# Altium PCB ESP_MusicToy.PcbDoc (part 2 of 2) (continued)
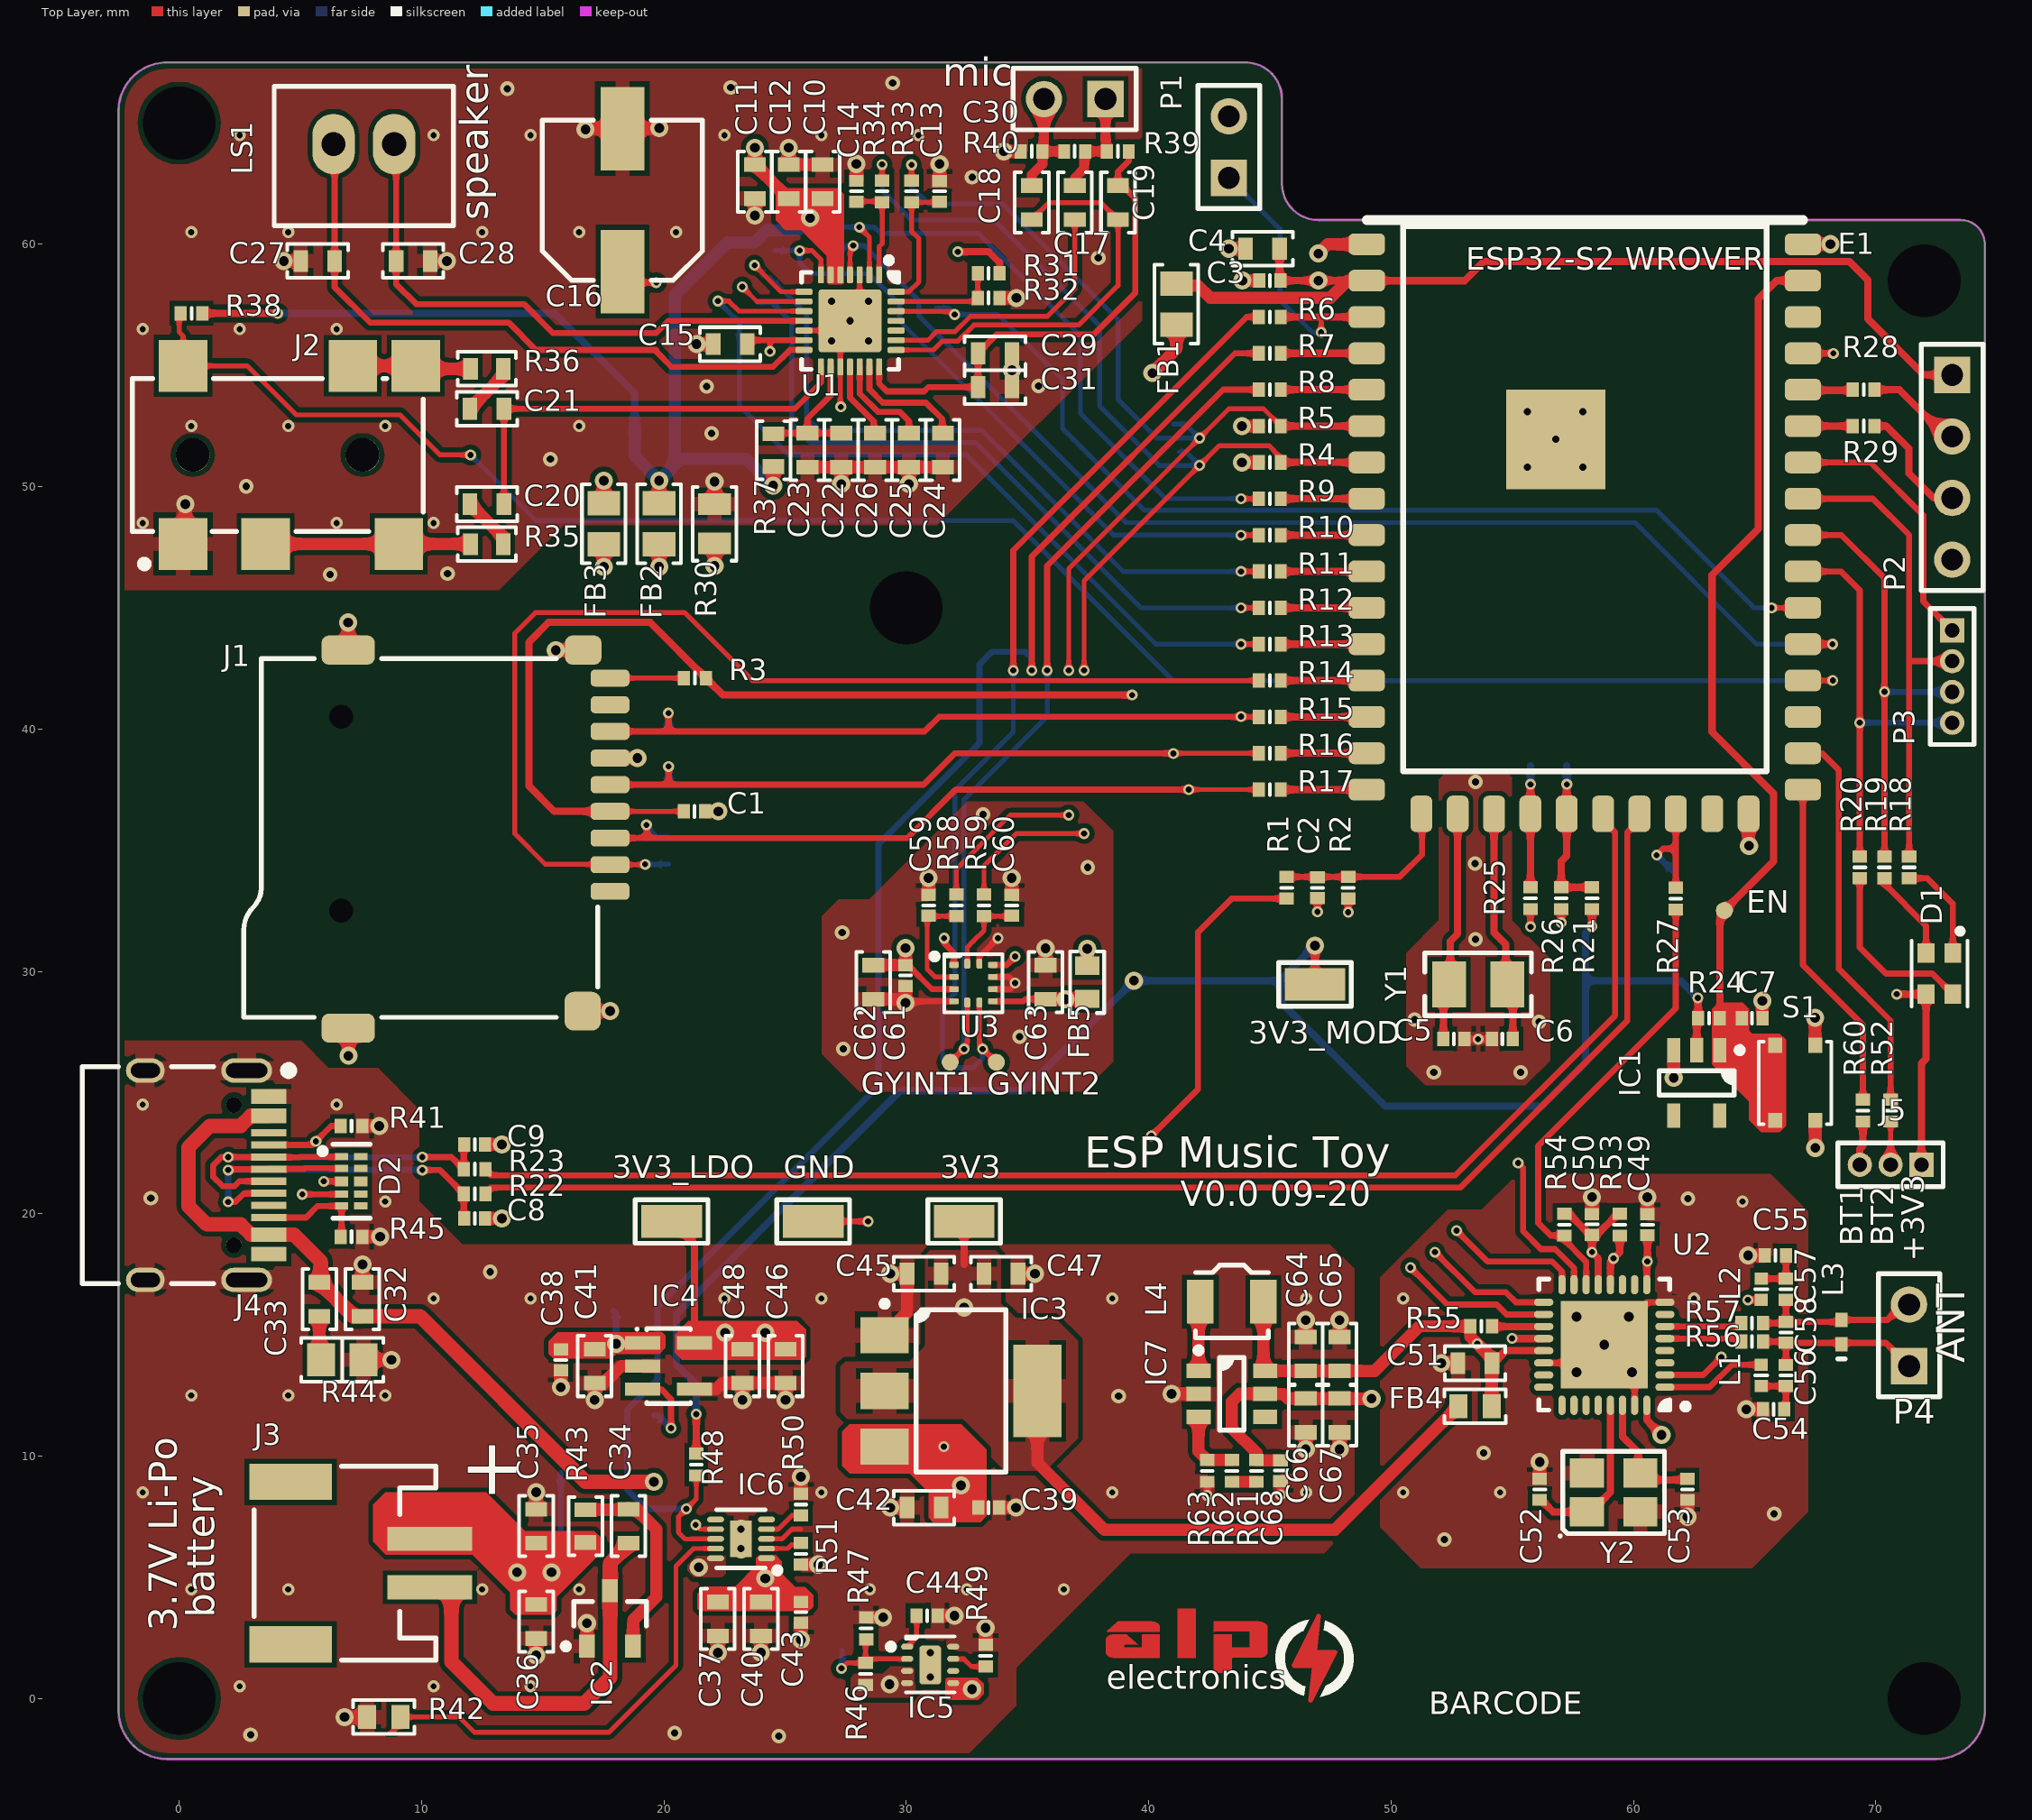
[diagram p0: Top Layer view]
## Nets (pads, with @x,y where several pads share a name; then routed paths per layer and width w, separated by ;. In a path a pad name is that pad's centre, name@x,y a point inside that pad or via, vN(x,y) a via of type N, cw(c..) or ccw(c..) an arc to the next point about the centre after c; other vN are vias at no path point) (continued)
NetC5_2: C5.2 E1.18 Y1.2 | length 9.5
  Top Layer w0.3: C5.2@52.162,27.214 52.162,28.921 Y1.2@52.578,29.337 ; Y1.2@52.324,29.464 52.451,29.591 52.451,31.242 52.75,31.541 E1.18@52.75,36.5
NetC6_2: C6.2 E1.19 Y1.1 | length 9.7
  Top Layer w0.3: E1.19@54.25,36.5 54.25,31.602 54.737,31.115 54.737,29.591 Y1.1@54.673,29.527 ; Y1.1@54.61,29.464 Y1.1@54.673,29.527 ; C6.2@55.026,27.214 55.026,29.175 Y1.1@54.673,29.527
NetC15_1: C15.1 C16.1 FB3.2 SPKVDD.1 U1.13 | length 19.3
  Top Layer w0.25: C16.1@18.288,58.87 18.738,58.42 v2(19.685,58.42) ; C15.1@23.433,55.88 23.593,56.04 24.504,56.04 ; v2(24.377,55.578) 24.377,55.913 24.504,56.04 ; U1.13@25.779,56.04 24.504,56.04
  Top Layer w0.5: FB3.2@17.519,49.316 v1(17.519,50.244)
  Layer 2 w0.25: v1(17.519,50.244) 20.066,52.791 20.066,55.118 ; v2(19.685,58.42) 19.685,55.959 20.066,55.578 20.066,55.118 ; v2(24.377,55.578) 23.917,55.118 20.066,55.118
NetC17_2: C17.2 U1.23 | length 11.1
  Top Layer w0.2: U1.23@29.579,56.04 30.894,56.04 31.242,56.388 32.004,56.388 32.639,57.023 35.814,57.023 36.957,58.166 C17.2@36.957,61.022
NetC18_2: C18.2 C19.2 U1.22 | length 17.1
  Top Layer w0.2: U1.22@29.579,55.64 31.129,55.64 31.496,56.007 32.131,56.007 32.791,56.667 37.109,56.667 38.735,58.293 C19.2@38.735,61.022 38.035,61.722 35.879,61.722 C18.2@35.179,61.022
NetC20_2: C20.2 R35.1 | length 2.3
  Top Layer w0.5: C20.2@12,49.276 12,49.126 12.05,49.076 12.2,49.076 13.325,47.951 13.325,47.675 R35.1@13.375,47.625
NetC21_2: C21.2 R36.1 | length 2.3
  Top Layer w0.5: C21.2@12,53.213 12,53.363 12.05,53.413 12.2,53.413 13.325,54.538 13.325,54.814 R36.1@13.375,54.864
NetC22_1: C22.1 C23.2 R37.2 U1.16 | length 5.9
  Top Layer w0.25: R37.2@24.523,52.181 24.548,52.206 C23.2@25.92,52.206 ; U1.16@26.879,54.94 26.879,53.762 25.92,52.803 C23.2@25.92,52.206 ; C22.1@27.317,52.206 C23.2@25.92,52.206
NetC24_1: C24.1 U1.20 | length 5
  Top Layer w0.25: U1.20@28.479,54.94 28.479,54.016 29.028,53.467 30.806,53.467 31.489,52.784 31.489,52.225 C24.1@31.508,52.206
NetC25_1: C25.1 U1.19 | length 4.1
  Top Layer w0.25: U1.19@28.079,54.94 28.079,53.836 28.829,53.086 29.73,53.086 30.111,52.705 C25.1@30.111,52.206
NetC26_1: C26.1 U1.18 | length 3.2
  Top Layer w0.25: U1.18@27.679,54.94 27.679,53.673 28.663,52.689 28.663,52.257 C26.1@28.714,52.206
NetC27_1: C27.1 LS1.1 U1.14 | length 26.8
  Top Layer w0.25: LS1.1@6.325,64.033 6.415,63.943 C27.1@6.415,59.309 6.415,58.228 7.874,56.769 13.589,56.769 14.718,55.64 19.678,55.64 ; 19.678,55.578 20.313,54.943 24.504,54.943 25.201,55.64 U1.14@25.779,55.64
NetC28_2: C28.2 LS1.2 U1.11 | length 23.3
  Top Layer w0.25: LS1.2@8.952,63.794 C28.2@8.952,59.309 8.952,58.358 9.779,57.531 14.224,57.531 15.415,56.34 19.678,56.34 20.178,56.84 24.664,56.84 U1.11@25.779,56.84
NetC33_1: C33.1 R44.2 | length 1.6
  Top Layer w0.5: C33.1@5.786,15.773 5.786,14.28 R44.2@5.842,14.224
NetC34_1: C34.1 IC2.3 R43.2 | length 8.6
  Top Layer w0.5: R43.2@16.764,7.768 R43.2@16.785,7.747 ; R43.2@16.764,7.787 18.455,7.787 C34.1@18.542,7.874 ; C34.1@18.542,7.812 18.858,7.812 19.685,6.985 19.685,4.191 18.73,3.236 IC2.3@18.73,2.152
NetC34_2: C34.2 IC2.2 J3.1 | length 16.6
  Top Layer w0.6: J3.1@11.235,4.588 11.235,1.516 12.954,-0.203 16.713,-0.203 17.78,0.864 IC2.2@17.78,4.452 17.78,5.588 C34.2@18.542,6.35
NetC44_2: C44.2 IC5.1 | length 1.4
  Top Layer w0.2: IC5.1@30.038,2.135 30.429,2.526 C44.2@30.429,3.417
NetC49_2: C49.2 U2.9 U2.20 | length 11.2
  Top Layer w0.3: v2(54.991,14.859) 55.003,14.847 U2.20@56.301,14.847 ; U2.9@60.551,17.072 60.551,18.006 v2(60.579,18.034) C49.2@60.579,19.118
  Layer 2 w0.3: v2(54.991,14.859) 54.991,16.51 55.626,17.145 58.674,17.145 59.69,17.145 v2(60.579,18.034)
NetC54_2: C54.2 C56.1 L1.2 | length 2
  Top Layer w0.25: L1.2@65.278,12.887 66.286,12.887 C56.1@66.294,12.895 66.294,12.006 C54.2@66.218,11.93
NetC55_1: C55.1 C57.1 L2.2 | length 2
  Top Layer w0.25: L2.2@65.278,17.323 66.286,17.323 C57.1@66.294,17.315 C55.1@66.294,18.28
NetC56_2: C56.2 C58.2 L3.1 P4.1 R56.2 | length 7.4
  Top Layer w0.25: R56.2@65.347,14.724 66.243,14.724 C58.2@66.294,14.673 ; C56.2@66.294,13.759 C58.2@66.294,14.673 ; P4.1@71.374,13.716 70.417,14.673 68.58,14.673 C58.2@66.294,14.673
NetC57_2: C57.2 C58.1 L3.2 P4.2 R57.2 | length 7.4
  Top Layer w0.25: R57.2@65.347,15.486 66.243,15.486 C58.1@66.294,15.537 ; C57.2@66.294,16.451 C58.1@66.294,15.537 ; P4.2@71.374,16.51 70.485,15.621 68.588,15.621 L3.2@68.58,15.613 68.504,15.537 C58.1@66.294,15.537
NetD1_1: D1.1 R18.1 | length 4.3
  Top Layer w0.25: R18.1@71.374,33.84 72.129,33.84 73.177,32.791 D1.1@73.177,30.759
NetD1_2: D1.2 R20.1 | length 7.5
  Top Layer w0.25: R20.1@69.342,33.84 69.342,30.988 70.423,29.907 72.33,29.907 D1.2@73.177,29.059
NetD1_4: D1.4 R19.1 | length 3.8
  Top Layer w0.25: R19.1@70.358,33.84 70.358,33.604 72.077,31.885 D1.4@72.077,30.759
NetE1_4: E1.4 R7.2 | length 3.6
  Top Layer w0.3: R7.2@45.45,55.5 E1.4@49,55.5
NetE1_5: E1.5 R8.2 | length 3.6
  Top Layer w0.3: R8.2@45.45,54 E1.5@49,54
NetE1_8: E1.8 R9.2 | length 3.6
  Top Layer w0.3: R9.2@45.45,49.5 E1.8@49,49.5
NetE1_9: E1.9 R10.2 | length 3.6
  Top Layer w0.3: R10.2@45.45,48 E1.9@49,48
NetE1_10: E1.10 R11.2 | length 3.6
  Top Layer w0.3: R11.2@45.45,46.5 E1.10@49,46.5
NetE1_11: E1.11 R12.2 | length 3.6
  Top Layer w0.3: R12.2@45.45,45 E1.11@49.001,45
NetE1_12: E1.12 R13.2 | length 3.6
  Top Layer w0.3: R13.2@45.45,43.5 E1.12@49,43.5
NetE1_13: E1.13 R14.2 | length 3.6
  Top Layer w0.3: R14.2@45.45,42 E1.13@49,42
NetE1_14: E1.14 R15.2 | length 3.6
  Top Layer w0.3: R15.2@45.45,40.5 E1.14@49,40.5
NetE1_15: E1.15 R16.2 | length 3.6
  Top Layer w0.3: R16.2@45.45,39 E1.15@49.001,39
NetE1_16: E1.16 R17.2 | length 3.6
  Top Layer w0.3: R17.2@45.45,37.5 E1.16@49,37.5
NetIC5_7: IC5.7 R49.1 | length 1.5
  Top Layer w0.2: IC5.7@31.938,1.635 32.376,1.635 32.695,1.316 R49.1@33.274,1.316
NetIC6_2: IC6.2 R51.1 | length 1.5
  Top Layer w0.2: IC6.2@24.233,6.185 25.108,6.185 25.273,6.35 R51.1@25.654,6.35
NetIC6_4: IC6.4 R50.2 | length 1.7
  Top Layer w0.2: IC6.4@24.233,6.985 24.714,6.985 25.28,7.551 R50.2@25.654,7.551
NetIC7_1: IC7.1 L4.2 | length 2.9
  Top Layer w0.5: IC7.1@42.059,13.515 42.059,16.354 L4.2@42.113,16.408
NetIC7_3: IC7.3 R62.1 R63.2 | length 2.9
  Top Layer w0.5: IC7.3@42.059,11.615 42.059,10.199 R63.2@42.418,9.84 R62.1@43.434,9.84
NetJ2_3: J2.3 J2.6 R35.2 | length 8.5
  Top Layer w0.5: J2.3@3.564,47.633 J2.6@9.064,47.633 12.017,47.633 R35.2@12.025,47.625
NetJ2_4: J2.4 J2.5 R36.2 | length 4.9
  Top Layer w0.5: J2.4@7.164,54.983 J2.5@9.764,54.983 9.883,54.864 R36.2@12.025,54.864
NetJ5_2: J5.2 R52.1 | length 1.8
  Top Layer w0.2: J5.2@70.612,22.022 R52.1@70.612,23.807
NetJ5_3: J5.3 R60.1 | length 1.8
  Top Layer w0.3: J5.3@69.342,22.022 69.342,22.675 69.469,22.802 R60.1@69.469,23.807
NetP2_2: P2.2 R28.2 | length 4
  Top Layer w0.3: R28.2@69.95,54 70.968,54 72.898,52.07 P2.2@73.152,52.07
NetP2_3: P2.3 R29.2 | length 5
  Top Layer w0.3: R29.2@69.95,52.5 70.436,52.5 71.374,51.562 71.374,50.546 72.39,49.53 P2.3@73.025,49.53 ; P2.3@73.152,49.403 P2.3@73.152,49.425 ; P2.3@73.152,49.53 P2.3@73.279,49.53
NetR55_2: R55.2 U2.19 | length 2.1
  Top Layer w0.3: R55.2@54.229,15.367 54.249,15.347 U2.19@56.301,15.347
NetR61_1: R61.1 R62.2 | length 1
  Top Layer w0.5: R62.2@43.434,8.94 R61.1@44.45,8.94
NFC_IRQIN: R26.2 R53.2 U2.12 | length 17.6
  Top Layer w0.3: v2(57.023,32.004) R26.2@57.023,32.57 ; U2.12@59.051,17.072 59.051,18.03 v2(59.182,18.161) 59.436,18.415 R53.2@59.436,19.177
  Layer 2 w0.3: v2(57.023,32.004) 57.531,31.496 57.531,24.144 59.182,22.493 v2(59.182,18.161)
NFC_IRQOUT: R27.2 R54.2 U2.14 | length 18.9
  Top Layer w0.25: R54.2@57.15,19.1 56.592,19.1 56.07,19.621 56.07,22.796 61.75,28.476 R27.2@61.75,32.55 ; R54.2@57.15,19.05 57.15,18.923 58.051,18.022 U2.14@58.051,17.072
RX1: R56.1 U2.5 | length 3.2
  Top Layer w0.25: U2.5@61.301,14.847 64.324,14.847 R56.1@64.447,14.724
RX2: R57.1 U2.6 | length 3.2
  Top Layer w0.25: U2.6@61.301,15.347 64.308,15.347 R57.1@64.447,15.486
SD_DETECT: J1.9 R3.1 | length 3.1
  Top Layer w0.2: J1.9@17.776,42.101 R3.1@20.828,42.101
SPI2_CLK: CLK.1 J1.5 R16.1 U2.18 | length 60.4
  Top Layer w0.2: v2@41.021,39 R16.1@44.55,39
  Top Layer w0.25: J1.5@17.776,37.701 20.199,37.701 ; v2(20.193,38.456) 20.199,38.45 20.199,37.701 ; v2@41.021,39 32.015,39 30.716,37.701 20.199,37.701 ; v2(50.8,17.78) 52.324,16.256 54.356,16.256 54.765,15.847 U2.18@56.301,15.847
  Layer 2 w0.25: v2(41.021,38.989) 41.021,27.559 v2(50.8,17.78)
  Bottom Layer w0.25: CLK.1@20.193,37.701 v2(20.193,38.456)
SPI2_CS_NFC: R25.2 U2.15 | length 17.9
  Top Layer w0.25: v2(55.245,22.098) 55.448,21.895 55.448,19.279 56.185,18.542 56.769,18.542 57.551,17.76 U2.15@57.551,17.072 ; v2(55.753,31.838) R25.2@55.753,32.57
  Layer 2 w0.25: v2(55.245,22.098) 55.245,23.114 56.871,24.74 56.871,30.721 v2(55.753,31.838)
SPI2_CS_SD: J1.2 R14.1 SD_CS.1 | length 47.4
  Top Layer w0.2: v2(19.228,34.417) 19.212,34.401 J1.2@17.776,34.401 17.76,34.417 15.113,34.417 13.843,35.687 13.843,43.942 14.707,44.806 20.853,44.806 23.659,42 R14.1@44.55,42
  Bottom Layer w0.2: v2(19.228,34.417) SD_CS.1@20.193,34.417
SPI2_MISO: J1.7 MISO.1 R15.1 U2.16 | length 59
  Top Layer w0.2: v2@43.815,40.5 R15.1@44.55,40.5
  Top Layer w0.25: J1.7@17.776,39.901 20.193,39.901 ; v2@20.193,40.65 20.193,39.901 ; v2@43.815,40.5 31.356,40.5 30.757,39.901 20.193,39.901 ; v2(52.705,19.304) 53.975,18.034 56.642,18.034 57.051,17.625 U2.16@57.051,17.072
  Layer 2 w0.25: v2(43.815,40.513) 43.815,28.194 v2(52.705,19.304)
  Bottom Layer w0.25: v2(20.187,40.656) 20.193,40.65 MISO.1@20.193,39.901
SPI2_MOSI: J1.3 MOSI.1 R17.1 U2.17 | length 58
  Top Layer w0.2: v2(41.656,37.5) R17.1@44.55,37.5
  Top Layer w0.25: J1.3@17.776,35.501 19.296,35.501 ; v2(19.279,36.043) 19.296,36.025 19.296,35.501 ; v2(41.656,37.5) 32.039,37.5 30.04,35.501 19.296,35.501 ; v2(51.816,18.415) 53.467,16.764 54.737,16.764 55.154,16.347 U2.17@56.301,16.347
  Layer 2 w0.25: v2(41.656,37.5) 41.656,28.575 v2(51.816,18.415)
  Bottom Layer w0.25: v2(19.279,36.043) 19.279,35.941 19.71,35.509 MOSI.1@20.193,35.509
TCK: E1.33 P3.4 R20.2 | length 17.5
  Top Layer w0.25: E1.33@66.993,46.5 68.562,46.5 69.342,45.72 v2(69.342,40.259) R20.2@69.342,34.74
  Bottom Layer w0.25: v2(69.342,40.259) P3.4@73.152,40.259
TDI: E1.35 P3.2 R18.2 | length 20
  Top Layer w0.25: E1.35@66.993,49.5 69.88,49.5 71.374,48.006 71.374,42.807 ; R18.2@71.374,34.74 71.374,42.807 ; P3.2@73.152,42.799 71.382,42.799 71.374,42.807
TDO: E1.34 P3.3 R19.2 | length 18.4
  Top Layer w0.25: E1.34@66.993,48 68.586,48 70.358,46.228 v2(70.358,41.541) R19.2@70.358,34.74
  Bottom Layer w0.25: v2(70.358,41.541) 70.37,41.529 P3.3@73.152,41.529
TMS: E1.36 P3.1 | length 11.1
  Top Layer w0.25: E1.36@66.993,51 69.777,51 71.958,48.819 71.958,45.263 P3.1@73.152,44.069
TS: IC6.9 R42.2 | length 18.8
  Top Layer w0.2: R42.2@9.125,-0.762 11.557,-0.762 12.192,-1.397 17.729,-1.397 20.498,1.372 20.498,5.461 21.222,6.185 IC6.9@22.133,6.185
TX1: L1.1 U2.1 | length 4.4
  Top Layer w0.25: U2.1@61.301,12.847 63.147,12.847 64.067,13.767 L1.1@65.278,13.767
TX2: L2.1 U2.2 | length 6
  Top Layer w0.25: U2.2@61.301,13.347 62.885,13.347 v2(63.627,14.089) ; v2(64.726,16.443) L2.1@65.278,16.443
  Layer 2 w0.25: v2(63.627,14.089) 64.516,14.978 64.521,14.983 64.516,14.988 64.726,15.198 v2(64.726,16.443)
UART_RX: E1.38 R28.1 | length 2
  Top Layer w0.3: E1.38@67.056,53.975 69.025,53.975 R28.1@69.05,54
UART_TX: E1.37 R29.1 | length 2.1
  Top Layer w0.3: E1.37@66.993,52.5 69.039,52.5 R29.1@69.088,52.451
USB_VCC: C32.1 C33.2 C37.1 C40.2 C43.2 IC6.1 IC6.7 J4.A4/B9 J4.B4/A9 | length 42.5
  Top Layer w0.2: v2(21.311,7.163) 21.488,6.985 IC6.7@22.133,6.985
  Top Layer w0.6: J4.A4/B9@3.701,24.04 2.958,24.04 2.54,23.622 1.27,23.622 0.381,22.733 0.381,20.32 1.143,19.558 2.54,19.558 2.958,19.14 J4.B4/A9@3.701,19.14 4.736,19.14 5.842,18.034 C33.2@5.842,17.272 ; C33.2@5.786,17.173 7.211,15.748 C32.1@7.493,15.748 ; C32.1@7.564,15.773 9.932,15.773 16.764,8.941 v1(19.583,8.941)
  Layer 2 w0.2: v1(19.583,8.941) 19.583,8.128 20.549,7.163 v2(21.311,7.163)
  Layer 2 w0.6: v1(19.583,8.941) 23.343,8.941 24.181,8.103 v1(24.181,4.953)
USBD_N: C9.2 D2.1 J4.A7 J4.B7 R23.2 | length 19.3
  Top Layer w0.25: J4.A7@3.701,21.34 2.49,21.34 2.286,21.136 1.797,21.136 1.397,21.536 1.397,21.99 1.747,22.34 v2(2.026,22.34) J4.B7@3.701,22.34 3.716,22.325 4.965,22.325 4.986,22.346 6.7,22.346 D2.1@6.706,22.352 ; v2(10.033,22.34) 11.24,22.34 11.567,22.013 11.617,22.013 R23.2@11.742,21.888 ; R23.2@11.742,21.838 R23.2@11.742,21.888 ; C9.2@11.76,22.727 11.742,22.709 11.742,22.013 R23.2@11.742,21.888
  Bottom Layer w0.25: v2(2.026,22.34) 2.044,22.323 10.015,22.323 v2(10.033,22.34)
USBD_P: C8.1 D2.2 J4.A6 J4.B6 R22.2 | length 19
  Top Layer w0.25: v2(2.026,20.49) 2.323,20.49 2.673,20.84 J4.B6@3.701,20.84 ; v2(2.026,21.801) 2.061,21.836 3.701,21.836 J4.A6@3.701,21.84 3.716,21.855 5.16,21.855 5.181,21.875 6.7,21.875 D2.2@6.706,21.869 ; v2(10.033,21.801) 10.763,21.801 11.567,20.997 11.617,20.997 11.742,20.872 R22.2@11.742,20.822 11.742,19.824 C8.1@11.76,19.806
  Bottom Layer w0.25: v2(2.026,20.49) v2(2.026,21.801) 2.044,21.819 10.016,21.819 v2(10.033,21.801)
UVLO: FUSE_EN.1 IC5.2 R46.1 R47.2 | length 4.6
  Top Layer w0.2: v2(27.33,1.245) 27.552,1.466 R46.1@28.321,1.466 ; R47.2@28.346,2.446 28.321,2.42 R46.1@28.321,1.466 ; IC5.2@30.038,1.635 28.49,1.635 R46.1@28.321,1.466
  Bottom Layer w0.2: v2(27.33,1.245) 27.356,1.27 FUSE_EN.1@27.356,1.981
VBAT: C38.2 C39.2 C41.2 C42.2 FB3.1 IC3.3 IC4.1 IC5.5 R1.2 VBAT.1 | length 104.3
  Top Layer w0.25: v2(40.107,23.216) 42.037,25.146 42.037,31.623 43.416,33.002 R1.2@45.695,33.002
  Top Layer w0.5: v1(17.519,46.688) FB3.1@17.519,47.616
  Layer 2 w0.25: v2(31.547,10.389) 31.547,12.7 40.107,21.26 v2(40.107,23.216)
  Layer 2 w0.5: v1(17.519,46.688) 17.519,44.635 23.114,39.04 23.114,19.71 v1(18.034,14.63) 18.034,11.405 19.241,10.198 28.41,10.198 30.734,7.874 30.734,3.251 32.715,1.27 v1(32.715,0.381) 34.417,2.083 34.417,3.581 32.258,5.74 v1(32.258,8.788)
  Bottom Layer w0.25: VBAT.1@17.907,16.002 18.034,15.875 v1(18.034,14.63)
XIN: C52.1 U2.29 Y2.1 | length 6.7
  Top Layer w0.3: C52.1@56.134,8.255 56.688,7.701 Y2.1@58.082,7.701 ; Y2.1@58.42,7.874 59.051,8.505 U2.29@59.051,12.097
XOUT: C53.2 U2.30 Y2.3 | length 5.3
  Top Layer w0.3: U2.30@59.551,12.097 59.551,10.807 60.198,10.16 Y2.3@60.198,9.144 ; Y2.3@60.282,9.301 60.566,9.017 C53.2@62.23,9.017
pads on no net: D2.6 D2.7 D2.8 D2.9 D2.10 E1.25 E1.29 E1.40 IC1.4 IC1.5 IC5.6 IC5.11 IC6.5 IC6.6 IC7.4 J1.1 J1.8 J1.S J2. J3.M J4.A8 J4.B8 J4.None U1.24 U1.25 U2.3 U2.4 U2.7 U2.10 U2.11 U2.23 U2.24 U2.25 U2.26 U2.27 U2.28
copper on no net:
  other v4: 30.988,0.885 30.988,1.885

## Polygon pours and split planes (outlines as drawn)
GND on Top Layer "GND_L01_P023" (solid, pour order 23): -2.5,2.77 -2.5,27.141 5.041,27.141 6.172,26.01 8.204,26.01 9.906,24.308 9.906,20.523 11.684,18.745 47.473,18.745 48.489,17.729 48.489,7.239 47.244,5.994 39.268,5.994 34.544,1.27 34.544,-0.305 32.349,-2.5 -0.5,-2.5 cw(c-0.5,-0.5) -2.5,-0.5
GND on Top Layer "GND_L01_P004" (solid, pour order 4): 4.064,26.924 4.572,26.416 4.572,24.686 4.426,24.54 2.892,24.54 2.413,25.019 -1.778,25.019 -2.159,25.4 -2.159,26.67 -1.905,26.924
GND on Top Layer "GND_L01_P003" (solid, pour order 3): 4.064,16.256 4.572,16.764 4.572,18.494 4.426,18.64 2.892,18.64 2.413,18.161 -1.778,18.161 -2.159,17.78 -2.159,16.51 -1.905,16.256
GND on Top Layer "GND_L01_P028" (solid, pour order 28): 49.555,17.374 52.349,20.168 53.746,20.168 55.22,21.641 65.659,21.641 67.208,20.091 67.208,7.696 64.897,5.385 51.232,5.385 49.555,7.061
GND on Top Layer "GND_L01_P032" (solid, pour order 32): 51.968,32.106 51.968,37.922 52.349,38.303 54.686,38.303 55.016,37.973 54.991,37.948 54.991,32.106 56.566,30.531 56.566,26.314 55.55,25.298 51.41,25.298 50.622,26.086 50.622,30.759
AGND on Top Layer "AGND_L01_P026" (solid, pour order 26): -2.5,65.5 cw(c-0.5,65.5) -0.5,67.5 39.721,67.5 39.721,56.866 31.267,48.412 15.875,48.412 13.196,45.733 -2.5,45.733
GND on Top Layer "GND_L01_P021" (solid, pour order 21): 26.518,26.594 28.067,25.044 37.313,25.044 38.532,26.264 38.532,35.789 37.313,37.008 32.512,37.008 28.473,32.969 27.203,32.969 26.518,32.283
+3V3 on Top Layer "+3V3_L01_P009" (solid, pour order 9): 27.483,13.894 30.124,13.894 30.785,14.554 30.785,18.285 30.991,18.491 33.68,18.491 33.909,18.263 33.909,16.307 34.519,15.697 36.144,15.697 37.084,14.757 37.084,10.744 35.738,9.398 34.061,9.398 33.477,9.982 33.477,10.389 32.334,11.532 27.559,11.532 27.28,11.811 27.28,13.691
BAT on Top Layer "BAT_L01_P014" (solid, pour order 14): 22.479,5.944 22.555,5.867 22.555,5.156 22.403,5.004 21.234,5.004 20.98,5.258 20.98,5.613 21.311,5.944
BAT on Top Layer "BAT_L01_P012" (solid, pour order 12): 29.032,1.016 29.362,1.346 30.251,1.346 30.378,1.219 30.378,0.254 30.164,0.04 27.849,0.04 27.711,0.178 27.711,0.864 27.864,1.016
GND on Bottom Layer "GND_L04_P017" (solid, pour order 17): -2.5,2.77 -2.5,27.141 5.041,27.141 6.172,26.01 8.204,26.01 9.906,24.308 9.906,20.523 11.684,18.745 47.473,18.745 48.489,17.729 48.489,7.239 47.244,5.994 38.405,5.994 34.544,2.134 34.544,-0.305 32.349,-2.5 -0.5,-2.5 cw(c-0.5,-0.5) -2.5,-0.5
GND on Bottom Layer "GND_L04_P002" (solid, pour order 2): 4.064,26.924 4.572,26.416 4.572,24.686 4.426,24.54 2.892,24.54 2.413,25.019 -1.778,25.019 -2.159,25.4 -2.159,26.67 -1.905,26.924
GND on Bottom Layer "GND_L04_P001" (solid, pour order 1): 4.064,16.256 4.572,16.764 4.572,18.494 4.426,18.64 2.892,18.64 2.413,18.161 -1.778,18.161 -2.159,17.78 -2.159,16.51 -1.905,16.256
AGND on Bottom Layer "AGND_L04_P024" (solid, pour order 24): -2.5,65.5 cw(c-0.5,65.5) -0.5,67.5 39.721,67.5 39.721,56.866 31.267,48.412 15.875,48.412 13.196,45.733 -2.5,45.733
GND on Bottom Layer "GND_L04_P019" (solid, pour order 19): 26.518,26.594 28.067,25.044 37.313,25.044 38.532,26.264 38.532,35.789 37.313,37.008 32.512,37.008 28.473,32.969 27.203,32.969 26.518,32.283
GND on Bottom Layer "GND_L04_P030" (solid, pour order 30): 51.968,32.106 51.968,37.922 52.349,38.303 54.686,38.303 55.016,37.973 54.991,37.948 54.991,32.106 56.566,30.531 56.566,26.314 55.55,25.298 51.41,25.298 50.622,26.086 50.622,30.759
GND on Bottom Layer "GND_L04_P029" (solid, pour order 29): 49.555,17.374 52.349,20.168 53.746,20.168 55.22,21.641 65.659,21.641 67.208,20.091 67.208,7.696 64.897,5.385 51.232,5.385 49.555,7.061
GND on Layer 2 "GND_L03_P022" (solid, pour order 22): -2.5,2.77 -2.5,27.141 5.041,27.141 6.172,26.01 8.204,26.01 9.906,24.308 9.906,20.523 11.684,18.745 47.473,18.745 48.489,17.729 48.489,7.239 47.244,5.994 38.405,5.994 34.544,2.134 34.544,-0.305 32.349,-2.5 -0.5,-2.5 cw(c-0.5,-0.5) -2.5,-0.5
GND on Layer 2 "GND_L03_P027" (solid, pour order 27): 49.555,17.374 52.349,20.168 53.746,20.168 55.22,21.641 65.659,21.641 67.208,20.091 67.208,7.696 64.897,5.385 51.232,5.385 49.555,7.061
AGND on Layer 2 "AGND_L03_P025" (solid, pour order 25): -2.5,65.5 cw(c-0.5,65.5) -0.5,67.5 39.721,67.5 39.721,56.866 31.267,48.412 15.875,48.412 13.196,45.733 -2.5,45.733
GND on Layer 2 "GND_L03_P020" (solid, pour order 20): 26.518,26.594 28.067,25.044 37.313,25.044 38.532,26.264 38.532,35.789 37.313,37.008 32.512,37.008 28.473,32.969 27.203,32.969 26.518,32.283
GND on Layer 2 "GND_L03_P031" (solid, pour order 31): 51.968,32.106 51.968,37.922 52.349,38.303 54.686,38.303 55.016,37.973 54.991,37.948 54.991,32.106 56.566,30.531 56.566,26.314 55.55,25.298 51.41,25.298 50.622,26.086 50.622,30.759
GND on Layer 1 (split plane): 44.129,66.983 44.257,66.958 44.379,66.916 44.496,66.859 44.604,66.787 44.701,66.701 44.787,66.604 44.859,66.496 44.916,66.379 44.958,66.257 44.983,66.129 44.991,66.012 44.99,66 44.99,62.5 44.99,62.499 44.999,62.303 45.028,62.108 45.076,61.916 45.143,61.731 45.227,61.552 45.328,61.383 45.446,61.225 45.578,61.078 45.725,60.946 45.883,60.828 46.052,60.727 46.231,60.643 46.416,60.576 46.608,60.528 46.803,60.499 46.999,60.49 47,60.49 73.5,60.49 73.512,60.491 73.596,60.482 73.688,60.454 73.773,60.409 73.848,60.348 73.909,60.273 73.954,60.188 73.982,60.096 73.991,60.012 73.99,60 73.99,20.5 73.99,0.5 73.99,-0.5 73.991,-0.515 73.982,-0.667 73.954,-0.832 73.908,-0.993 73.844,-1.147 73.763,-1.294 73.666,-1.43 73.555,-1.555 73.43,-1.666 73.294,-1.763 73.147,-1.844 72.993,-1.908 72.832,-1.954 72.667,-1.982 72.515,-1.991 72.5,-1.99 -0.5,-1.99 -0.515,-1.991 -0.667,-1.982 -0.832,-1.954 -0.993,-1.908 -1.147,-1.844 -1.294,-1.763 -1.43,-1.666 -1.555,-1.555 -1.666,-1.43 -1.763,-1.294 -1.844,-1.147 -1.908,-0.993 -1.954,-0.832 -1.982,-0.667 -1.991,-0.515 -1.99,-0.5 -1.99,0.04 -1.99,45.468 13.208,45.468 13.273,45.476 13.334,45.502 13.386,45.542 16.058,48.214 31.329,48.214 31.394,48.222 31.455,48.248 31.507,48.288 38.318,55.099 39.929,56.71 39.969,56.762 39.995,56.823 40.003,56.888 40.003,66.99 44,66.99 44.012,66.991
AGND on Layer 1 (split plane): -0.5,66.99 39.499,66.99 39.499,56.993 37.962,55.455 31.224,48.718 15.954,48.718 15.889,48.71 15.828,48.684 15.776,48.644 13.104,45.972 -1.99,45.972 -1.99,65.5 -1.991,65.515 -1.982,65.667 -1.954,65.832 -1.908,65.993 -1.844,66.147 -1.763,66.294 -1.666,66.43 -1.555,66.555 -1.43,66.666 -1.294,66.763 -1.147,66.844 -0.993,66.908 -0.832,66.954 -0.667,66.982 -0.515,66.991

## Keep-outs
Keep-Out Layer:
  lines w0.1: -2.5,0.04 ccw(c-2.5,0.04) -2.5,0.04 ; -2.5,0.04 -2.5,5.5 -2.5,25.5 -2.5,64.96 -2.5,65.5 cw(c-0.5,65.5) -0.5,67.5 0.04,67.5 0.5,67.5 43,67.5 44,67.5 cw(c44,66) 45.5,66 45.5,62.5 ccw(c47,62.5) 47,61 73,61 73.5,61 cw(c73.5,60) 74.5,60 74.5,20.5 74.5,0.5 ; -2.5,0.04 -2.5,-0.5 ccw(c-0.5,-0.5) -0.5,-2.5 1.215,-2.5 38.675,-2.5 72.5,-2.5 ccw(c72.5,-0.5) 74.5,-0.5 74.5,0.5 ; 74.5,0.5 ccw(c74.5,0.5) 74.5,0.5

## Other copper
Top Layer:
  region: 461 vertices and 0 holes, not listed, extent 45.911,-0.161 47.778,3.478
  region: 1136 vertices and 0 holes, not listed, extent 42.694,1.06 44.9,3.177
  region: 727 vertices and 0 holes, not listed, extent 38.262,2.747 40.447,3.177
  region: 217 vertices and 0 holes, not listed, extent 41.205,1.682 41.936,3.71
  region: 924 vertices and 0 holes, not listed, extent 38.248,1.682 40.447,2.645
  region net VBAT: 31.699,0.864 32.944,0.864 33.198,0.61 33.198,0.178 32.969,-0.051 31.75,-0.051 31.623,0.076 31.623,0.787
  region net BAT: 8.509,8.509 12.675,8.509 14.275,6.909 17.12,6.909 17.45,6.579 17.45,6.071 15.57,4.191 15.57,3.632 15.392,3.454 13.868,3.454 13.665,3.658 13.665,4.369 12.09,5.944 8.534,5.944 8.001,6.477 8.001,8.001
  region net USB_VCC: 23.927,5.918 24.613,5.918 24.867,5.664 24.867,5.156 25.425,4.597 25.832,4.597 26.162,4.267 26.162,3.785 25.984,3.607 21.488,3.607 21.387,3.708 21.387,4.318 21.692,4.623 22.936,4.623 23.8,5.486 23.8,5.791
  region net VBAT: 27.648,11.316 32.271,11.316 33.312,10.274 33.312,7.531 33.058,7.277 31.102,7.277 30.924,7.455 30.924,8.496 30.137,9.284 27.673,9.284 27.356,9.601 27.356,11.024
  region net +3V3_LDO: 21.006,15.57 25.502,15.57 25.857,15.215 25.857,14.097 25.73,13.97 20.752,13.97 20.447,14.275 20.447,15.011
  region net VBAT: 15.443,14.021 17.831,14.021 18.034,14.224 19.812,14.224 20.066,14.478 20.066,14.986 19.939,15.113 15.621,15.113 15.24,14.732 15.24,14.224
  region net AVDD: 26.721,59.512 25.654,60.579 25.019,60.579 24.613,60.985 24.613,62.103 24.816,62.306 27.203,62.306 27.432,62.078 27.432,58.395 27.381,58.344 26.797,58.344 26.721,58.42
  region net EN: 63.246,28.448 63.5,28.702 64.516,28.702 64.77,28.448 64.77,27.559 64.897,27.432 66.04,27.432 66.294,27.178 66.294,23.622 66.04,23.368 65.278,23.368 64.77,23.876 64.77,24.638 63.246,26.162
Bottom Layer:
  region net +3V3_LDO: 21.057,15.57 25.146,15.57 25.451,15.265 25.451,14.529 24.994,14.072 21.234,14.072 20.904,14.402 20.904,15.418
Layer 1 (plane layer: these items are gaps in the copper):
  lines w0.5: -2.5,45.737 -2.491,45.737 -2.474,45.72 13.208,45.72 15.954,48.466 19.805,48.466 31.329,48.466 38.14,55.277 39.751,56.888 39.751,67.5 40.692,67.5

## Silkscreen, mask and mechanical layers (free items; w line width, h text height)
Top Overlay:
  region: 47.074,0.062 47.309,0.526 ccw(c46.845,1.652) 47.363,0.55 ccw(c46.838,1.664) 47.823,0.924 ccw(c46.851,1.657) 48.057,1.489 ccw(c46.844,1.657) 48.067,1.59 ccw(c46.831,1.658) 48.069,1.658 ccw(c46.827,1.658) 48.068,1.685 ccw(c46.836,1.658) 48.064,1.764 ccw(c46.853,1.66) 48.001,2.06 ccw(c46.839,1.653) 47.476,2.706 ccw(c46.845,1.663) 47.234,2.818 47.279,3.21 cw(c46.847,1.67) 47.534,3.115 cw(c46.837,1.65) 48.132,2.627 cw(c46.853,1.66) 48.441,1.88 cw(c46.843,1.659) 48.454,1.748 cw(c46.827,1.658) 48.457,1.658 cw(c46.827,1.658) 48.454,1.569 cw(c46.856,1.655) 48.301,0.966 cw(c46.837,1.666) 47.802,0.362 cw(c46.846,1.65)
  region: 45.248,1.436 cw(c46.845,1.657) 45.235,1.568 cw(c46.862,1.658) 45.232,1.658 cw(c46.863,1.658) 45.235,1.745 cw(c46.833,1.661) 45.391,2.354 cw(c46.852,1.65) 45.882,2.95 cw(c46.843,1.666) 46.617,3.254 46.387,2.794 ccw(c46.844,1.664) 46.326,2.767 ccw(c46.85,1.652) 45.864,2.39 ccw(c46.838,1.659) 45.632,1.828 ccw(c46.845,1.659) 45.622,1.727 ccw(c46.858,1.658) 45.62,1.658 ccw(c46.862,1.658) 45.621,1.631 ccw(c46.853,1.658) 45.625,1.553 ccw(c46.836,1.656) 45.688,1.258 ccw(c46.85,1.663) 46.212,0.61 ccw(c46.844,1.653) 46.454,0.498 46.41,0.106 cw(c46.842,1.647) 46.155,0.201 cw(c46.852,1.666) 45.556,0.691 cw(c46.836,1.656)
  text "speaker" at 13.149,60.987 h2 r90
  text "ESP32-S2 WROVER" at 53.086,58.629 h1.6
  text "ESP Music Toy" at 37.338,21.469 h2.2
  text "V0.0 09-20" at 41.315,19.965 h1.8
  text "BT1" at 69.769,18.669 h1.6 r90
  text "BT2" at 71.036,18.669 h1.6 r90
  text "+3V3" at 72.311,18.034 h1.6 r90
  text "ANT" at 74.056,13.843 h2 r90
  text "+" at 11.586,7.663 h4
  text "battery" at 1.846,3.329 h2 r90
  text "3.7V Li-Po" at 0.298,2.766 h2 r90
  text "electronics" at 38.258,0.055 h1.7
  text "BARCODE" at 51.555,-0.976 h1.6
Bottom Overlay:
  text "+3V3" at 71.882,54.181 h1.6
  text "RX" at 71.882,51.652 h1.6
  text "TX" at 71.882,49.112 h1.6
  text "GND" at 71.882,46.561 h1.6
  text "TMS" at 71.882,43.64 h1.6
  text "TDI" at 71.882,42.37 h1.6
  text "TDO" at 71.882,41.1 h1.6
  text "TCK" at 71.882,39.83 h1.6
  text "W" at 56.007,-0.956 h5
  text "e" at 64.133,-2.35 h6
Top Solder:
  drawing of 5 lines, arcs and shapes, not listed

## Dimensions
-0.5,-2.5 to 0.04,67.5 on Top Overlay
-2.5,0.04 to 74.5,-0.5 on Top Overlay